# Altium PCB hand_logic.PcbDoc (part 3 of 4) (continued)
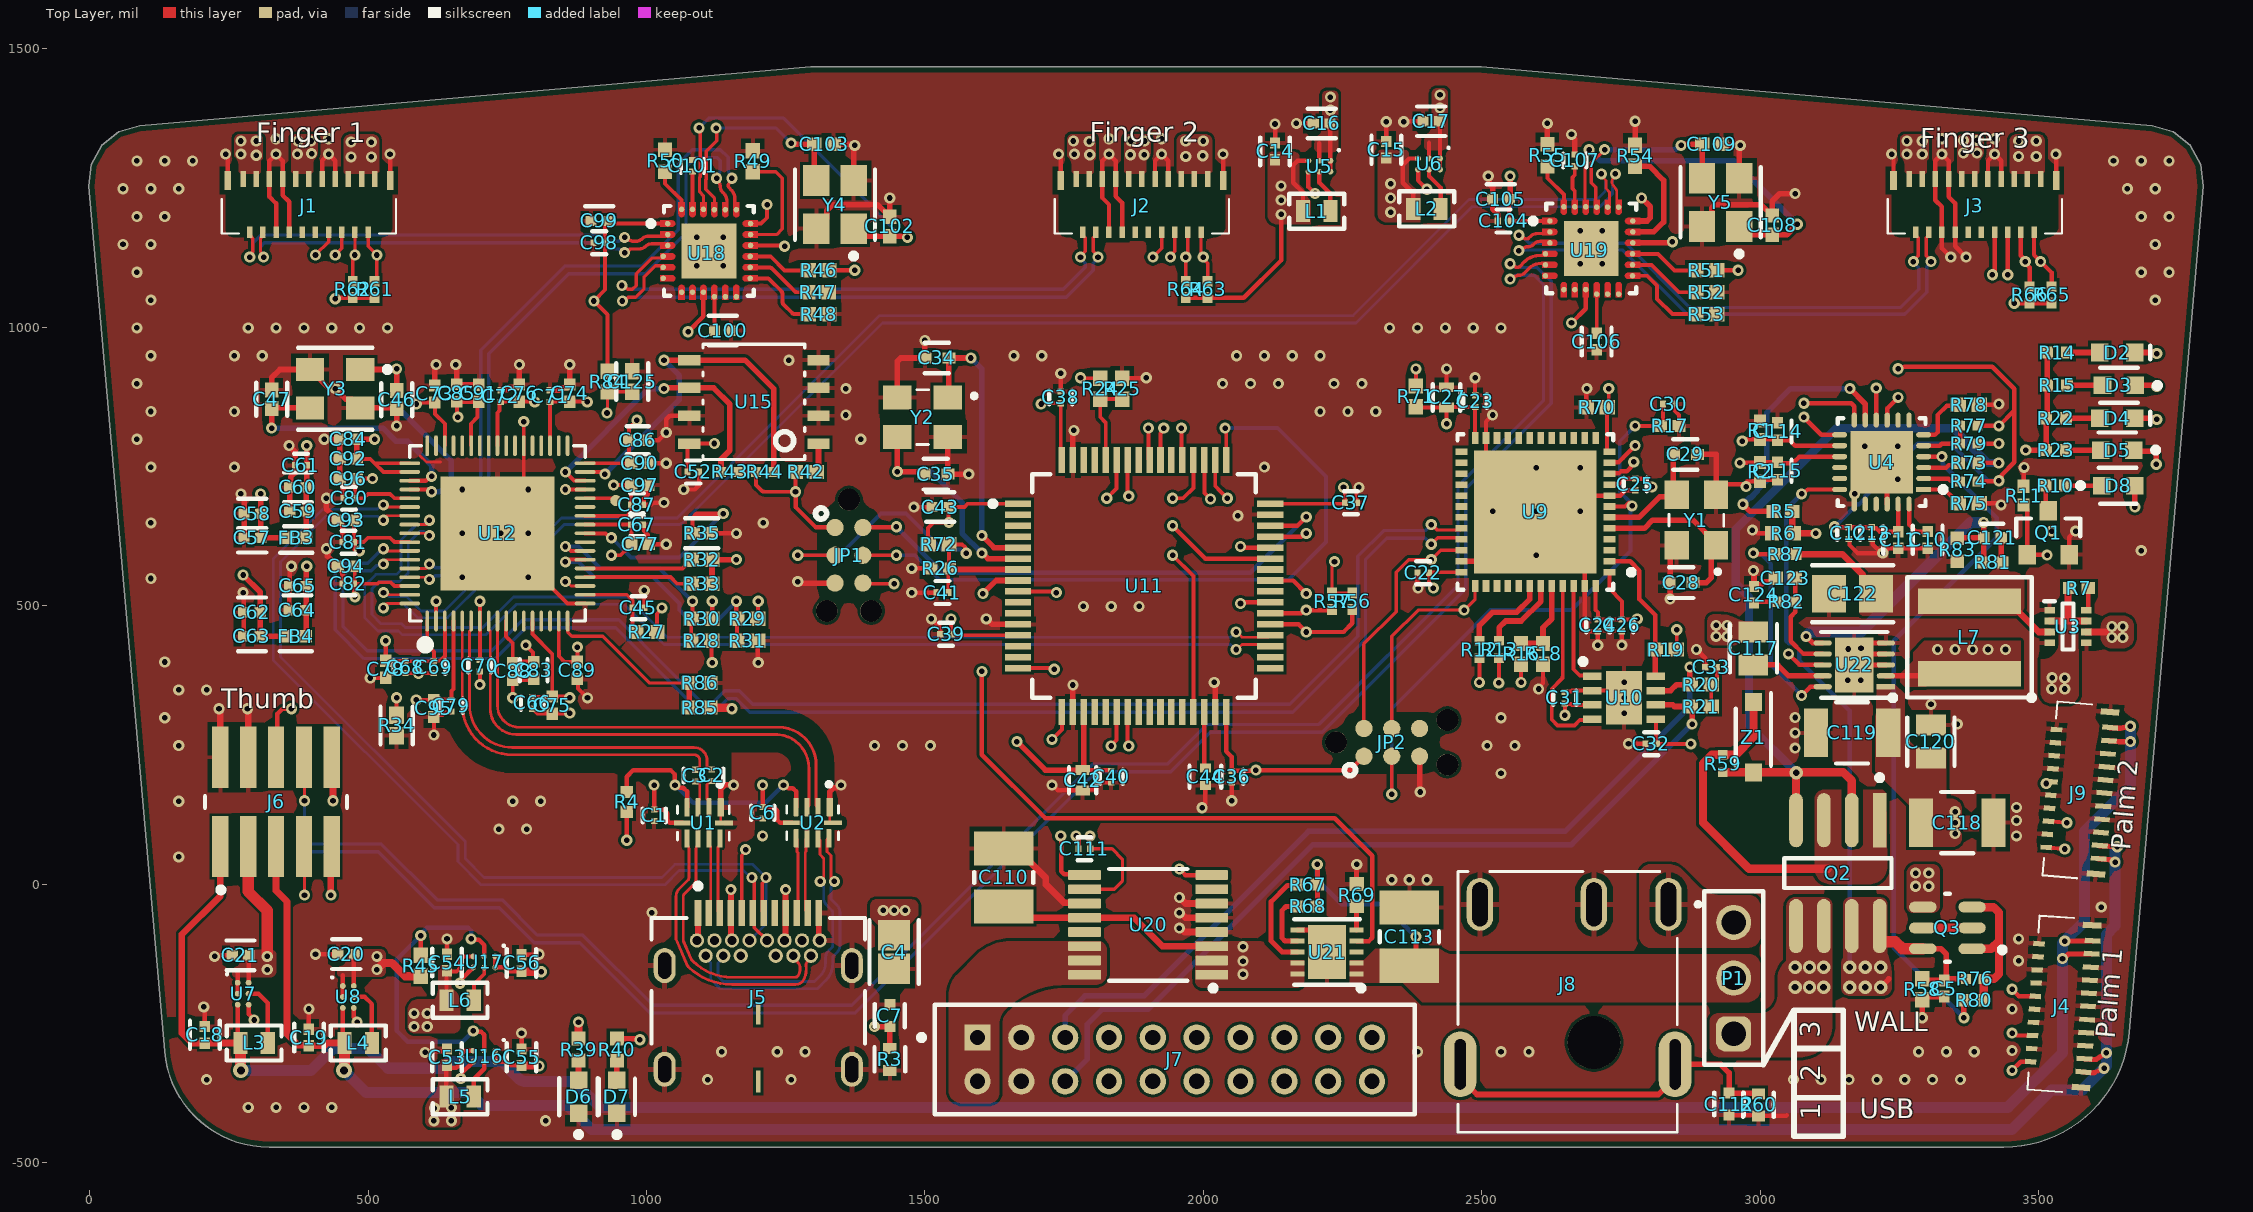
[diagram p0: Top Layer view]
## Nets (pads, with @x,y where several pads share a name; then routed paths per layer and width w, separated by ;. In a path a pad name is that pad's centre, name@x,y a point inside that pad or via, vN(x,y) a via of type N, cw(c..) or ccw(c..) an arc to the next point about the centre after c; other vN are vias at no path point) (continued)
HAND_V_SEL: C113.1 P1.2 R67.2 R68.2 U21.1 U21.2 | length 384
  Top Layer w9: R68.2@2204.72,-40.21 R68.2@2204.72,-40.21 R67.2@2204.78,-0.78 v1(2204.72,35.43) v1(2204.72,35.43) ; C113.1@2373.01,-149.61 C113.1@2370.08,-146.67 2381.89,-134.86 v1(2381.89,-94.49)
  Bottom Layer w9: v1(2204.72,35.43) 2204.72,7.87 2248.03,-35.43 2322.83,-35.43 v1(2381.89,-94.49)
HAND_VOUT: J7.1 J7.2 U20.14 U20.15 U20.16
HX3_I2C_SCL: R43.1 U12.32 U15.6 | length 540.3
  Top Layer w7: v1(854.33,740.16) 869.91,724.58 889.6,724.58 U12.32@889.76,724.41
  Top Layer w10: v1(1031.5,889.76) 1032.87,891.14 U15.6@1076.91,891.14 1120.67,891.14 1149.61,862.2 1149.61,778.71 1133.86,762.96 R43.1@1133.86,740.16
  Bottom Layer w10: v1(854.33,740.16) 1003.94,889.76 v1(1031.5,889.76)
HX3_I2C_SDA: R44.1 U12.33 U15.5 | length 676.5
  Top Layer w7: U12.33@889.76,740.16 917.74,740.16 921.68,736.22 v1(925.2,736.22)
  Top Layer w10: v1(1031.5,940.94) 1031.69,941.14 U15.5@1076.91,941.14 1176.97,941.14 1228.35,889.76 R44.1@1228.35,740.16
  Bottom Layer w10: v1(925.2,736.22) 1059.06,870.08 1059.06,913.39 v1(1031.5,940.94)
HX3_MODE0: R29.1 R31.2 U12.23 | length 477.8
  Top Layer w7: v1(854.33,578.74) 857.85,578.74 861.79,582.68 U12.23@889.76,582.68 ; R31.2@1162.4,437.01 R29.1@1162.4,476.38
  Top Layer w8: v1(1161.42,507.87) 1161.42,477.36 R29.1@1162.4,476.38
  Bottom Layer w7: v1(854.33,578.74) 877.95,578.74 905.51,551.18 1011.81,551.18 1059.06,503.94 1059.06,492.13 1074.8,476.38 1129.92,476.38 v1(1161.42,507.87)
HX3_MODE1: R28.1 R30.2 U12.24 | length 379.9
  Top Layer w7: v1(854.33,606.3) 856.56,606.3 864.44,598.43 U12.24@889.76,598.43 ; R28.1@1079.72,437.01 1080.34,437.62 R30.2@1080.34,476.38
  Top Layer w8: R30.2@1080.34,476.38 1082.68,478.72 v1(1082.68,507.87)
  Bottom Layer w7: v1(854.33,606.3) 877.95,606.3 917.32,566.93 1023.62,566.93 v1(1082.68,507.87)
HX3_USB_D3_N: U12.64 U18.19 | length 1258.9
  Top Layer w5: U12.64@574.8,566.93 602.36,566.93 ccw(c602.36,574.8) v1(610.24,574.8)
  Top Layer w6: v1(1153.54,1267.72) cw(c1144.53,1267.72) 1150.9,1261.34 1148.52,1258.96 ccw(c1152.76,1254.72) 1146.76,1254.72 ccw(c1152.76,1254.72) 1148.52,1250.47 1152.67,1246.33 cw(c1138.41,1232.07) 1158.57,1232.07 1158.57,1218.08 ccw(c1165.72,1218.08) 1160.67,1213.03 cw(c1158.86,1211.22) U18.19@1161.42,1211.22
  Bottom Layer w6: v1(610.24,574.8) 613.97,574.8 620.75,568.02 638.89,568.02 702.54,631.67 702.54,958.44 854.33,1110.24 992.01,1110.24 1056.87,1175.09 1056.87,1293.2 1082.56,1318.9 1132.88,1318.9 1146.76,1305.01 1146.76,1284.08 ccw(c1160.89,1284.08) 1150.9,1274.09 cw(c1144.53,1267.72) v1(1153.54,1267.72)
HX3_USB_D3_P: U12.65 U18.20 | length 1233
  Top Layer w5: U12.65@574.8,551.18 606.3,551.18 cw(c606.3,547.24) v1(610.24,547.24)
  Top Layer w6: v1(1125.98,1267.72) ccw(c1135,1267.72) 1128.63,1261.34 1129.37,1260.59 cw(c1121.19,1252.41) 1132.76,1252.41 1132.76,1251.82 ccw(c1145.76,1251.82) 1136.56,1242.63 ; 1136.57,1242.62 1138.67,1240.53 cw(c1124.41,1226.27) 1144.57,1226.27 1144.57,1218.08 cw(c1137.43,1218.08) 1142.48,1213.03 ccw(c1144.29,1211.22) U18.20@1141.73,1211.22
  Bottom Layer w6: v1(610.24,547.24) 613.97,547.24 620.75,554.02 644.69,554.02 716.54,625.87 716.54,952.64 860.13,1096.24 863.36,1096.24 997.81,1096.24 1070.87,1169.29 1070.87,1287.4 1088.36,1304.9 1127.08,1304.9 1132.76,1299.21 1132.76,1284.08 cw(c1118.64,1284.08) 1128.63,1274.09 ccw(c1135,1267.72) v1(1125.98,1267.72)
HX3_USB_D4_N: U12.68 U19.19 | length 2690.9
  Top Layer w5: v1(527.56,496.06) cw(c535.43,496.06) 535.43,503.94 U12.68@574.8,503.94 ; v1(2740.16,1275.59) cw(c2730.36,1275.59) 2737.29,1268.66 2737.16,1268.53 ccw(c2744.4,1261.29) 2734.16,1261.29 2734.16,1261.02 ccw(c2745.06,1261.02) 2737.35,1253.31 2738.44,1252.22 cw(c2728.1,1241.88) 2742.72,1241.88 2742.72,1223.92 ccw(c2750.92,1223.92) 2745.12,1218.12 cw(c2742.85,1215.85) U19.19@2746.06,1215.85
  Bottom Layer w5: v1(527.56,496.06) 530.71,496.06 537.99,503.34 563.59,503.34 588.43,478.5 642.46,478.5 710.58,546.62 753.18,546.62 852.23,645.67 1060.09,645.67 1062.21,647.78 1063.8,647.78 1423.9,1007.87 2274.29,1007.87 2482.95,1216.54 2712.42,1216.54 2735.22,1239.34 2735.22,1266.6 2740.16,1271.53 v1(2740.16,1275.59)
HX3_USB_D4_P: U12.67 U19.20 | length 2670.1
  Top Layer w5: v1(527.62,523.56) 530.49,520.69 537.05,520.69 538.05,519.69 U12.67@574.8,519.69 ; v1(2715.16,1275.59) 2715.16,1271.53 2723.16,1263.53 2723.16,1249.12 2729.72,1242.55 2729.72,1223.92 cw(c2721.52,1223.92) 2727.32,1218.12 ccw(c2729.59,1215.85) U19.20@2726.38,1215.85
  Bottom Layer w5: v1(527.62,523.56) 530.77,523.56 537.99,516.34 568.97,516.34 594.94,490.37 637.54,490.37 705.66,558.49 748.27,558.49 847.31,657.54 1055.18,657.54 1418.51,1020.87 2268.91,1020.87 2477.57,1229.54 2707.04,1229.54 2722.22,1244.72 2722.22,1264.46 2715.16,1271.53 v1(2715.16,1275.59)
MCU_FINGER_FMPI2C1_SCL: J4.2 J6.9 J9.2 R56.1 U4.13 U11.37 U20.9 | length 8027
  Top Layer w8: v1(433.07,-19.68) v1@434.65,-18.11 ; v1(1744.09,86.61) 1744.6,86.11 1744.6,23.15 1750.1,17.65 1785.53,17.65 U20.9@1786.92,16.26 ; U11.37@2120.08,466.54 2171.26,466.54 v1(2185.04,452.76) 2251.97,452.76 2267.72,468.5 R56.1@2267.72,493.11 ; v1(3078.74,838.58) 3110.24,807.09 U4.13@3143.09,807.09 ; v1(3452.76,-334.65) 3468.3,-319.1 J4.2@3486.21,-319.1 ; J9.2@3513.96,65.77 3520.17,65.25 v1(3547.24,62.99)
  Top Layer w12: v1(433.07,-19.68) 433.07,65.94 J6.9@434.65,67.52
  Int3 (Sign) w8: v1(2185.04,452.76) 1929.13,196.85 547.24,196.85 433.07,82.68 v1(433.07,-19.68) 708.66,-19.68 757.87,-68.9 757.87,-167.32 1019.69,-429.13 3425.2,-429.13 3452.76,-401.57 v1(3452.76,-334.65) 3409.45,-291.34 3409.45,-74.8 v1(3547.24,62.99) 3519.68,90.55 3519.68,110.24 3578.74,169.29 3578.74,377.95 3543.31,413.39 3513.78,413.39 3090.88,836.29 3081.04,836.29 v1(3078.74,838.58)
  Int1 (GND) w8: v1(1744.09,86.61) 1744.09,114.17 1814.96,185.04 1980.32,185.04 2185.04,389.76 v1(2185.04,452.76)
MCU_FINGER_FMPI2C1_SDA: J4.6 J6.10 J9.6 R57.1 U4.12 U11.38 U20.8 | length 8132.2
  Top Layer w8: J6.10@434.65,227.76 J6.10@437.01,225.39 ; v1(1957.2,27.08) 1968.03,16.26 U20.8@2015.27,16.26 ; U11.38@2120.08,486.22 2175.89,486.22 2181.79,492.13 v1(2185.04,492.13) 2230.32,492.13 R57.1@2231.3,493.11 ; v1(3078.74,863.58) 3163.98,863.58 3169.29,858.27 U4.12@3169.29,833.29 ; v1(3452.76,-267.72) 3456,-267.72 3460.26,-271.97 J4.6@3489.51,-271.97 ; J9.6@3518.07,112.83 3524.29,112.35 v1(3551.18,110.24)
  Top Layer w12: v1(437.01,149.61) J6.10@437.01,225.39
  Int3 (Sign) w8: v1(2185.04,492.13) 1905.51,212.6 500.84,212.6 437.85,149.61 v1(437.01,149.61) 362.2,74.8 362.2,-27.56 377.95,-43.31 686.34,-43.31 728.35,-85.31 728.35,-161.42 1009.06,-442.13 3435.82,-442.13 3488.19,-389.76 3488.19,-303.15 v1(3452.76,-267.72) 3515.75,-267.72 3582.68,-200.79 3582.68,78.74 v1(3551.18,110.24) 3598.43,157.48 3598.43,405.51 3140.35,863.58 v1(3078.74,863.58)
  Int1 (GND) w8: v1(1957.2,27.08) 2212.6,282.48 2212.6,464.57 v1(2185.04,492.13)
MCU_FINGER_I2C1_SCL: J1.2 R61.1 U11.58 | length 1691.7
  Top Layer w6: J1.2@500,1170.67 500,1145.67 v1(515.75,1129.92) 515.75,1086.61 R61.1@511.81,1082.68
  Top Layer w7: U11.58@1864.17,761.81 1864.17,698.82 v1(1866.14,696.85)
  Int2 (Sign) w6: v1(515.75,1129.92) 671.54,974.13 1395.95,974.13 1610.24,759.84 1803.15,759.84 v1(1866.14,696.85)
MCU_FINGER_I2C1_SDA: J1.4 R62.1 U11.59 | length 1697.3
  Top Layer w6: R62.1@472.44,1082.68 472.44,1122.2 476.38,1126.13 v1(476.38,1129.92) J1.4@476.38,1170.67
  Top Layer w7: v1(1826.77,692.91) 1844.49,710.63 U11.59@1844.49,761.81
  Int2 (Sign) w6: v1(476.38,1129.92) 644.05,962.25 1384.2,962.25 1602.36,744.09 1775.59,744.09 v1(1826.77,692.91)
MCU_FINGER_I2C2_SCL: J2.2 R63.1 U11.29 | length 1196.8
  Top Layer w6: J2.2@1996.06,1170.67 1996.06,1133.71 2000,1129.77 v1(2000,1125.98) 2000,1123.34 2007.87,1115.47 R63.1@2007.87,1082.68
  Top Layer w7: v1(1944.88,590.55) 1982.28,553.15 U11.29@1982.28,309.06
  Int2 (Sign) w6: v1(1944.88,590.55) 1985.94,631.61 1985.94,691.23 1952.76,724.41 1913.39,724.41 1834.65,803.15 1834.65,1098.43 1885.83,1149.61 1976.38,1149.61 v1(2000,1125.98)
MCU_FINGER_I2C2_SDA: J2.4 R64.1 U11.53 | length 457.9
  Top Layer w6: R64.1@1968.5,1082.68 v1(1968.5,1125.98) 1968.5,1129.77 1972.44,1133.71 J2.4@1972.44,1170.67
  Top Layer w7: v1(1960.63,818.9) 1960.63,763.78 U11.53@1962.6,761.81
  Int2 (Sign) w6: v1(1960.63,818.9) 1960.63,821.54 1968.5,829.41 v1(1968.5,1125.98)
MCU_FINGER_I2C3_SCL: J3.2 R65.1 U11.41 | length 1751.6
  Top Layer w8: U11.41@2120.08,545.28 2161.42,545.28 v1(2185.04,521.65) ; J3.2@3492.13,1170.67 3492.13,1129.92 v1(3503.94,1118.11) 3523.62,1098.43 R65.1@3523.62,1072.83
  Int2 (Sign) w8: v1(2185.04,521.65) 2222.44,559.06 2448.82,559.06 2881.89,992.13 3377.95,992.13 v1(3503.94,1118.11)
MCU_FINGER_I2C3_SDA: J3.4 R66.1 U11.56 | length 1877.3
  Top Layer w7: v1(1901.57,818.9) 1901.57,763.78 U11.56@1903.54,761.81
  Top Layer w8: J3.4@3468.5,1170.67 3468.5,1128.8 3476.38,1120.92 v1(3476.38,1118.11) 3476.38,1115.3 3484.25,1107.42 R66.1@3484.25,1072.83
  Int2 (Sign) w8: v1(1901.57,818.9) 1921.26,799.21 2528.86,799.21 2721.4,991.76 2722.7,991.76 2762.07,1031.13 3314.59,1031.13 3401.57,1118.11 v1(3476.38,1118.11)
MCU_LED0: D4.1 U11.16 | length 2376.6
  Top Layer w7: U11.16@1667.32,387.8 1730.32,387.8 v1(1732.28,385.83)
  Top Layer w10: D4.1@3673.23,836.61 3707.92,836.61 3709.89,834.65 v1(3712.6,834.65)
  Int3 (Sign) w8: v1(1732.28,385.83) 1817.6,385.83 1997.51,565.74 2183.85,565.74 2326.77,708.66 2773.18,708.66 3025.15,960.63 3468.5,960.63 3594.49,834.65 v1(3712.6,834.65)
MCU_LED1: D5.1 U11.17 | length 2704.8
  Top Layer w7: v1(1728.35,259.84) 1746.06,277.56 U11.17@1746.06,309.06
  Top Layer w10: D5.1@3670.28,777.56 3705.76,777.56 3711.61,771.7 v1(3711.61,753.94)
  Int3 (Sign) w8: v1(1728.35,259.84) 1685.04,303.15 1685.04,381.89 1720.47,417.32 1830.71,417.32 1992.13,578.74 2178.47,578.74 2323.39,723.66 2766.97,723.66 3019.68,976.38 3574.8,976.38 3696.54,854.65 3720.88,854.65 3732.6,842.93 3732.6,826.36 3732.28,826.05 3732.28,774.61 v1(3711.61,753.94)
MCU_USB_HS_D2_N: U11.35 U12.59 | length 1994.5
  Top Layer w5: U12.59@574.8,645.67 602.36,645.67 ccw(c602.36,653.54) v1(610.24,653.54) ; v1(2059.06,421.26) 2060.24,421.26 2069.48,430.51 2083.29,430.51 2116.74,430.51 U11.35@2120.08,427.17
  Bottom Layer w5: v1(610.24,653.54) 607.09,653.54 599.81,646.26 587.38,646.26 559.06,617.94 559.06,564.18 551.18,556.31 514.3,556.31 493.88,535.88 493.88,478.56 517.93,454.51 554.67,454.51 561.54,447.63 711.41,447.63 766.4,502.62 959.31,502.62 1031.42,430.51 2048.63,430.51 2057.87,421.26 v1(2059.06,421.26)
MCU_USB_HS_D2_P: U11.36 U12.60 | length 1949.2
  Top Layer w5: U12.60@574.8,629.92 606.3,629.92 cw(c606.3,625.98) v1(610.24,625.98) ; v1(2059.06,452.76) 2060.24,452.76 2069.48,443.51 2077.9,443.51 2116.74,443.51 U11.36@2120.08,446.85
  Bottom Layer w5: v1(610.24,625.98) 607.09,625.98 599.81,633.26 592.77,633.26 572.06,612.55 572.06,558.8 556.57,543.31 519.68,543.31 506.88,530.5 506.88,483.95 523.32,467.51 560.05,467.51 566.93,460.63 706.02,460.63 761.01,515.62 964.7,515.62 968.5,511.81 1036.81,443.51 2048.63,443.51 2057.87,452.76 v1(2059.06,452.76)
MH_MCU_CAN_RESET: R70.2 U9.12 U11.9 | length 1454.1
  Top Layer w7: U11.9@1667.32,525.59 1734.25,525.59 v1(1736.22,523.62) ; v1(2728.35,889.76) 2728.35,859.25 R70.2@2725.39,856.3 2725.39,778.98 2727.8,776.57 U9.12@2729.33,776.57
  Int3 (Sign) w7: v1(1736.22,523.62) 1736.22,645.67 1842.52,751.97 2051.18,751.97 2251.97,952.76 2665.35,952.76 v1(2728.35,889.76)
NetC7_2: C7.2 J5.1 J5.2 R3.2 | length 847.8
  Top Layer w10: v1(1409.45,-255.91) C7.2@1437.01,-255.91 R3.2@1437.01,-295.28
  Int2 (Sign) w10: J5.1@1122.05,-101.18 1122.05,-100.44 1159.49,-62.99 ; J5.2@1279.53,-101.18 1279.53,-78.74 1263.78,-62.99 1159.49,-62.99 ; v1(1409.45,-255.91) 1145.67,-255.91 1062.99,-173.23 1062.99,-78.74 1078.74,-62.99 1159.49,-62.99
NetC33_2: C33.2 R20.1 R21.2 | length 81
  Top Layer w7: R21.2@2916.34,314.96 R21.2@2912.4,318.9 R20.1@2912.4,358.27 2913.15,358.27 2922.44,367.56 C33.2@2922.44,389.76
NetC44_1: C44.1 U11.30 | length 101.2
  Top Layer w8: U11.30@2001.97,309.06 2001.97,210.63 C44.1@2003.94,208.66
NetC100_1: C100.1 U18.10 | length 60.8
  Top Layer w7: C100.1@1122.05,994.09 U18.10@1122.05,1054.92
NetC101_1: C101.1 U18.23 | length 67.7
  Top Layer w7: U18.23@1082.68,1211.78 C101.1@1082.68,1279.53
NetC106_1: C106.1 U19.10 | length 70
  Top Layer w7: C106.1@2706.69,989.31 U19.10@2706.69,1059.35
NetC107_1: C107.1 U19.23 | length 76.4
  Top Layer w7: U19.23@2667.32,1216.41 2667.32,1244.84 2663.15,1249.02 2663.15,1269.25 2667.32,1273.42 2667.32,1287.36 C107.1@2667.32,1289.37
NetC110_1: C110.1 U20.1 U20.2 U20.3 U20.12 U21.9 U21.10 | length 403.1
  Top Layer w12: C110.1@1641.73,-40.37 1661.88,-60.52 1875.51,-60.52 1926.69,-111.7 U20.3@2015.27,-111.7
  other v1: 2071.37,-161.89 2071.37,-138.27 2071.37,-112.68
NetC112_1: C112.1 J8.S1 J8.S2 R60.1 | length 651.6
  Top Layer w10: J8.S2@2461.61,-323.82 2461.61,-347.87 2491.7,-377.95 2817.36,-377.95 2847.44,-347.87 J8.S1@2847.44,-323.82 2929.13,-323.82 2944.47,-339.16 C112.1@2944.47,-375.58 2944.47,-375.98 R60.1@2997.05,-375.98
NetC117_1: C117.1 U22.9 | length 132.5
  Top Layer w10: C117.1@2988.19,393.7 3031.5,393.7 3051.18,374.02 U22.9@3112.58,374.02
NetC117_2: C117.2 L7.1 U22.2 | length 151.5
  Top Layer w10: U22.2@3226.01,374.02 3372.24,374.02 L7.1@3375.98,377.76
  other v1: 3318.9,421.26 3350.39,421.26 3381.89,421.26 3409.45,421.26 3440.94,421.26 2921.26,444.88 2940.94,444.88 2921.26,464.57 2940.94,464.57
NetC121_1: C121.1 R81.2 R83.2 U22.6 | length 558.4
  Top Layer w9: v1(3082.68,444.88) 3094.49,433.07 U22.6@3112.58,433.07
  Top Layer w10: R83.2@3354.33,621.06 3355.31,622.05 C121.1@3401.57,622.05 ; R81.2@3400.59,577.76 3401.57,578.74 C121.1@3401.57,622.05 ; v1(3401.57,649.61) C121.1@3401.57,622.05
  Bottom Layer w20: v1(3082.68,444.88) 3090.55,452.76 3181.1,452.76 3377.95,649.61 v1(3401.57,649.61)
NetC123_2: C123.2 R82.2 U22.7 | length 183.3
  Top Layer w8: C123.2@3062.6,549.21 3063.08,548.73 R82.2@3063.08,506.89 3062.99,506.81 3062.99,488.19 3055.12,480.32 3055.12,436.32 3078.05,413.39 U22.7@3112.58,413.39
NetC124_1: C124.1 R82.1 | length 43.1
  Top Layer w8: C124.1@2989.17,504.78 2991.28,506.89 R82.1@3031.41,506.89
NetC125_1: C125.1 R84.1 U12.31 | length 286.5
  Top Layer w6: v1(929.13,846.14) 930.12,847.13 R84.1@930.12,883.86 930.45,884.19 C125.1@974.41,884.19
  Top Layer w7: v1(854.33,708.66) U12.31@889.76,708.66
  Int2 (Sign) w10: v1(854.33,708.66) 929.13,783.46 v1(929.13,846.14)
NetD2_2: D2.2 R14.2 | length 59.1
  Top Layer w10: R14.2@3551.18,954.72 D2.2@3610.24,954.72
NetD3_2: D3.2 R15.2 | length 64
  Top Layer w10: R15.2@3551.18,895.67 D3.2@3615.16,895.67
NetD4_2: D4.2 R22.2 | length 61
  Top Layer w10: R22.2@3549.21,836.61 D4.2@3610.24,836.61
NetD5_2: D5.2 R23.2 | length 63
  Top Layer w10: R23.2@3549.21,779.53 D5.2@3612.2,779.53
NetD6_2: D6.2 R39.1 | length 33.5
  Top Layer w10: D6.2@877.95,-350.39 R39.1@877.95,-316.93
NetD7_2: D7.2 R40.1 | length 39.4
  Top Layer w10: D7.2@946.85,-356.3 R40.1@946.85,-316.93
NetD8_1: D8.1 R10.2 | length 65.9
  Top Layer w8: R10.2@3548.23,715.55 D8.1@3614.17,715.55
NetL1_1: L1.1 U5.B2 | length 79
  Top Layer w8: U5.B2@2208.66,1279.53 2208.66,1259.84 2228.35,1240.16 L1.1@2228.35,1208.66
NetL2_1: L2.1 U6.B2 | length 79.4
  Top Layer w8: U6.B2@2405.51,1283.46 2405.51,1271.65 2426.18,1250.98 L2.1@2426.18,1212.6
NetL3_1: L3.1 U7.B2 | length 113.2
  Top Layer w8: U7.B2@285.43,-196.85 303.15,-196.85 319.88,-213.58 L3.1@319.88,-285.43
NetL4_1: L4.1 U8.B2 | length 107.7
  Top Layer w8: U8.B2@474.41,-202.76 494.09,-202.76 506.89,-215.55 L4.1@506.89,-285.43
NetL5_1: L5.1 U16.B2 | length 70.7
  Top Layer w8: L5.1@689.96,-381.89 689.96,-350.39 708.66,-331.69 U16.B2@708.66,-318.9
NetL6_1: L6.1 U17.B2 | length 66.8
  Top Layer w7: L6.1@689.96,-208.66 689.96,-180.12 708.66,-161.42 U17.B2@708.66,-149.61
NetQ1_3: Q1.3 R10.1 | length 47.3
  Top Layer w8: R10.1@3512.8,715.55 3512.8,675.2 Q1.3@3517.72,670.28
NetQ2_1: Q2.1 Q2.3 R59.2 Z1.1 | length 538.1
  Top Layer w15: Z1.1@2988.19,326.77 2988.19,263.78 2956.69,232.28 R59.2@2933.07,232.28 2913.39,232.28 2897.64,216.54 2897.64,110.24 2980.31,27.56 3122.05,27.56
NetQ2_2: Q2.2 Q2.4 R59.1 R73.2 Z1.2 | length 1478.6
  Top Layer w8: R73.2@3392.72,756.56 3428.48,756.56 v1(3428.72,756.32)
  Top Layer w15: R59.1@2940.94,200.79 Z1.2@2988.19,200.79 3064.31,200.79 v2(3065.07,200.04) ; Q2.4@3064.76,114.81 3064.76,199.73 v2(3065.07,200.04) ; Q2.2@3164.76,114.81 3164.76,185.63 3149.61,200.79 3065.82,200.79 v2(3065.07,200.04)
  Bottom Layer w15: v2(3065.07,200.04) 2980.32,284.79 2980.32,515.75 2956.69,539.37 2956.69,637.8 3137.8,818.9 3346.46,818.9 3409.04,756.32 v1(3428.72,756.32)
NetQ3_1: Q3.1 Q3.3 R76.1 R80.1 | length 286.1
  Top Layer w15: Q3.1@3380.91,-116.14 3415.35,-116.14 3429.13,-102.36 ; Q3.3@3380.91,-41.34 3419.29,-41.34 3429.13,-51.18 3429.13,-102.36 ; R80.1@3401.57,-208.66 R76.1@3401.57,-170.28 3420.28,-170.28 3429.13,-161.42 3429.13,-102.36
NetQ3_2: Q3.2 Q3.5 | length 88.6
  Top Layer w15: Q3.5@3292.32,-78.74 Q3.2@3380.91,-78.74
NetR5_1: R5.1 R6.2 U22.8 | length 386.4
  Top Layer w8: v1(3051.18,413.39) 3070.87,393.7 U22.8@3112.58,393.7
  Top Layer w12: R5.1@3058.07,669.29 3058.07,632.87 R6.2@3061.02,629.92 v1(3100.39,629.92)
  Int3 (Sign) w8: v1(3051.18,413.39) 3051.18,580.71 v1(3100.39,629.92)
NetR7_2: R7.2 U3.8 | length 41.7
  Top Layer w8: U3.8@3586.14,492.13 3587.66,492.13 3589.57,494.03 R7.2@3589.57,531.5
NetR12_1: R12.1 U9.42 | length 161.3
  Top Layer w10: R12.1@2496.06,437.01 2496.06,464.57 2519.69,488.19 2562.99,488.19 2586.61,511.81 U9.42@2586.61,535.43
NetR13_1: R13.1 U9.43 | length 145.6
  Top Layer w10: R13.1@2531.5,437.01 2531.5,460.63 2543.31,472.44 2570.87,472.44 2606.3,507.87 U9.43@2606.3,535.43
NetR24_1: R24.1 R25.2 U11.60 | length 152.7
  Top Layer w7: U11.60@1824.8,761.81 1824.8,828.74 1814.96,838.58 R24.1@1814.96,871.06 R25.2@1854.33,871.06
NetR32_1: R32.1 U12.22 | length 197.7
  Top Layer w7: U12.22@889.76,566.93 1064.59,566.93 1070.06,572.4 1070.06,573.38 1079.35,582.68 R32.1@1080.34,582.68
NetR33_1: R33.1 U12.21 | length 195.5
  Top Layer w7: U12.21@889.76,551.18 1043.31,551.18 1055.12,539.37 R33.1@1080.34,539.37
NetR34_2: R34.2 U12.2 | length 269.5
  Top Layer w7: R34.2@551.18,303.15 v1(551.18,334.65) ; U12.2@622.05,472.44 v1(622.05,507.87)
  Int2 (Sign) w7: v1(551.18,334.65) 551.18,389.76 621.33,459.91 621.33,507.15 v1(622.05,507.87)
NetR35_2: R35.2 U12.26 | length 384.5
  Top Layer w7: U12.26@889.76,629.92 926.41,629.92 934.28,622.05 v1(937.01,622.05)
  Top Layer w8: R35.2@1082.68,629.92 1082.68,657.48 1090.55,665.35 v1(1137.8,665.35)
  Bottom Layer w7: v1(937.01,622.05) 972.44,586.61 1059.06,586.61 v1(1137.8,665.35)
NetR42_1: R42.1 U15.1 | length 52.6
  Top Layer w10: R42.1@1305.12,740.16 1308.91,743.95 U15.1@1308.91,791.14
NetR46_1: R46.1 U18.15 | length 114.3
  Top Layer w7: U18.15@1186.32,1127.26 1223.13,1127.26 1248.03,1102.36 R46.1@1290.35,1102.36
NetR47_2: R47.2 U18.14 | length 120.9
  Top Layer w7: U18.14@1186.32,1107.58 1220.23,1107.58 cw(c1220.23,1100.58) 1225.16,1105.55 1265.69,1065.02 ccw(c1270.62,1069.99) 1270.62,1062.99 R47.2@1289.37,1062.99
NetR48_2: R48.2 U18.13 | length 127.4
  Top Layer w7: 1199.9,1087.89 1216.29,1087.89 cw(c1216.29,1080.89) 1221.22,1085.87 1242.04,1065.04 cw(c1237.09,1060.09) 1244.09,1060.09 1244.09,1046.21 ccw(c1251.09,1046.21) 1246.12,1041.28 1261.75,1025.65 ccw(c1266.68,1030.62) 1266.68,1023.62 R48.2@1290.35,1023.62
NetR49_2: R49.2 U18.17 | length 210.2
  Top Layer w6: U18.17@1186.88,1166.63 1233.56,1166.63 1244.09,1177.17 1244.09,1267.72 1232.28,1279.53 R49.2@1190.94,1279.53
NetR50_2: R50.2 U18.24 | length 80
  Top Layer w7: R50.2@1033.46,1279.53 1033.46,1257.87 1062.99,1228.35 U18.24@1062.99,1211.78
NetR51_1: R51.1 U19.15 | length 126.1
  Top Layer w7: U19.15@2770.96,1131.89 2816.93,1131.89 2846.46,1102.36 R51.1@2884.84,1102.36
NetR52_2: R52.2 U19.14 | length 120.7
  Top Layer w7: 2784.55,1112.2 2805.12,1112.2 2854.33,1062.99 R52.2@2884.84,1062.99
NetR53_2: R53.2 U19.13 | length 156.3
  Top Layer w7: U19.13@2770.96,1092.52 2797.24,1092.52 2814.96,1074.8 2814.96,1051.18 2842.52,1023.62 R53.2@2884.84,1023.62
NetR54_2: R54.2 U19.17 | length 199.2
  Top Layer w10: U19.17@2771.53,1171.26 2809.06,1171.26 2826.77,1188.98 2826.77,1263.78 2801.18,1289.37 R54.2@2775.59,1289.37
NetR55_2: R55.2 U19.24 | length 85.2
  Top Layer w7: R55.2@2618.11,1289.37 2618.11,1267.72 2647.64,1238.19 U19.24@2647.64,1216.41
NetR67_1: R67.1 U21.8 | length 188.2
  Top Layer w9: U21.8@2169.27,-122.05 2141.73,-122.05 2122.05,-102.36 2122.05,-31.5 2151.27,-2.27 2169.82,-2.27 R67.1@2171.31,-0.78
NetR68_1: R68.1 U21.7 | length 112
  Top Layer w9: U21.7@2169.27,-102.36 2147,-102.36 2141.73,-97.09 2141.73,-47.24 2148.77,-40.21 R68.1@2171.26,-40.21
NetR69_2: R69.2 U21.5 | length 43.3
  Top Layer w9: U21.5@2275.61,-82.68 R69.2@2275.61,-39.39
NetR87_2: R87.2 U22.10 | length 385.2
  Top Layer w8: v1(2988.19,594.49) 2990.16,592.52 R87.2@3029.53,592.52 ; v1(3074.8,338.58) 3090.55,354.33 U22.10@3112.58,354.33
  Bottom Layer w8: v1(2988.19,594.49) 2989.84,592.84 3001.65,592.84 3019.68,574.8 3019.68,393.7 v1(3074.8,338.58)
PALM_RESET: J4.12 J6.6 J9.12 U11.39 | length 4594.6
  Top Layer w8: J6.6@334.65,227.76 337.24,230.35 337.24,305.74 346.46,314.96 v1(362.2,314.96) ; v1(2066.93,503.94) 2068.9,505.91 U11.39@2120.08,505.91 ; v1(3452.76,-188.98) 3465.06,-201.28 J4.12@3494.45,-201.28 ; v1(3514.08,180.6) 3516.91,183.43 J9.12@3524.25,183.43
  Int2 (Sign) w8: v1(3452.76,-188.98) 3468.5,-188.98 3503.94,-153.54 3503.94,167.32 3514.08,177.47 v1(3514.08,180.6)
  Int3 (Sign) w8: v1(362.2,314.96) 413.39,314.96 502.75,225.6 1890.95,225.6 1980.32,314.96 1980.32,417.32 v1(2066.93,503.94) 2114.17,551.18 2212.6,551.18 2303.15,460.63 2632.52,460.63 2923.23,751.34 2923.23,777.56 2964.57,818.9 3078.74,818.9 3492.13,405.51 3492.13,198.82 3504.65,186.29 3505.15,186.29 3510.83,180.6 v1(3514.08,180.6)
PD_3V3: C11.1 C12.2 C13.2 R4.1 R74.2 R77.2 U4.23 | length 4059.1
  Top Layer w8: v1(964.57,78.74) R4.1@964.57,129.92 ; v1(3133.86,641.73) 3134.65,640.94 C12.2@3159.45,640.94 C13.2@3200.79,640.94 3202.3,639.43 3208.99,639.43 3215.41,633.01 C11.1@3248.03,633.01 U4.23@3248.03,682.46 ; v1(3248.03,925.63) 3250.33,927.93 3257.51,927.93 3258.72,929.13 3417.32,929.13 3456.69,889.76 3456.69,850.39 ; R74.2@3390.75,723.24 3427.96,723.24 v1(3429.13,724.41) 3429.13,727.66 3433.97,732.49 3433.97,734.69 3456.69,757.41 3456.69,850.39 ; R77.2@3390.75,823.49 3428.48,823.49 v1(3429.13,822.83) 3456.69,850.39
  Int2 (Sign) w8: v1(964.57,78.74) 1003.94,118.11 1899.61,118.11 2165.35,383.86 2529.53,383.86 3057.87,912.2 3165.85,912.2 3180.42,897.63 3180.42,837.78 3055.34,712.71 3055.34,674.98 3080.83,649.49 3123.17,649.49 3130.93,641.73 v1(3133.86,641.73)
  Bottom Layer w8: v1(3133.86,641.73) 3174,681.87 3177.76,681.87 3188.89,693 3188.89,696.77 3283.46,791.34 3342.52,791.34 3409.45,724.41 v1(3429.13,724.41)
PD_5V: C121.2 C122.1 L7.2 R81.1 R87.1 U3.3 | length 392.6
  Top Layer w10: C121.2@3433.07,622.05 3433.07,578.74 R81.1@3434.06,577.76
  Top Layer w12: R87.1@3062.99,592.52 3147.64,592.52 3184.07,556.09 3184.07,546.24 C122.1@3208.66,521.65 ; L7.2@3375.98,508.07 3445.28,508.07 3500.59,452.76 U3.3@3520.16,452.76
PD_FAULT: Q1.1 R11.2 U4.9 | length 654.5
  Top Layer w8: U4.9@3228.35,833.29 3228.35,854.33 v1(3248.03,874.02) ; R11.2@3473.43,681.1 3473.43,680.12 3480.31,673.23 Q1.1@3480.31,591.54 3515.08,591.54 v1(3515.75,590.87)
  Int2 (Sign) w8: v1(3248.03,874.02) 3287.4,834.65 3287.4,677.17 3374.02,590.55 3515.43,590.55 v1(3515.75,590.87)